# Altium PCB mPCIe_Breakout01_BRD1.PcbDoc (part 1 of 2) (continued)
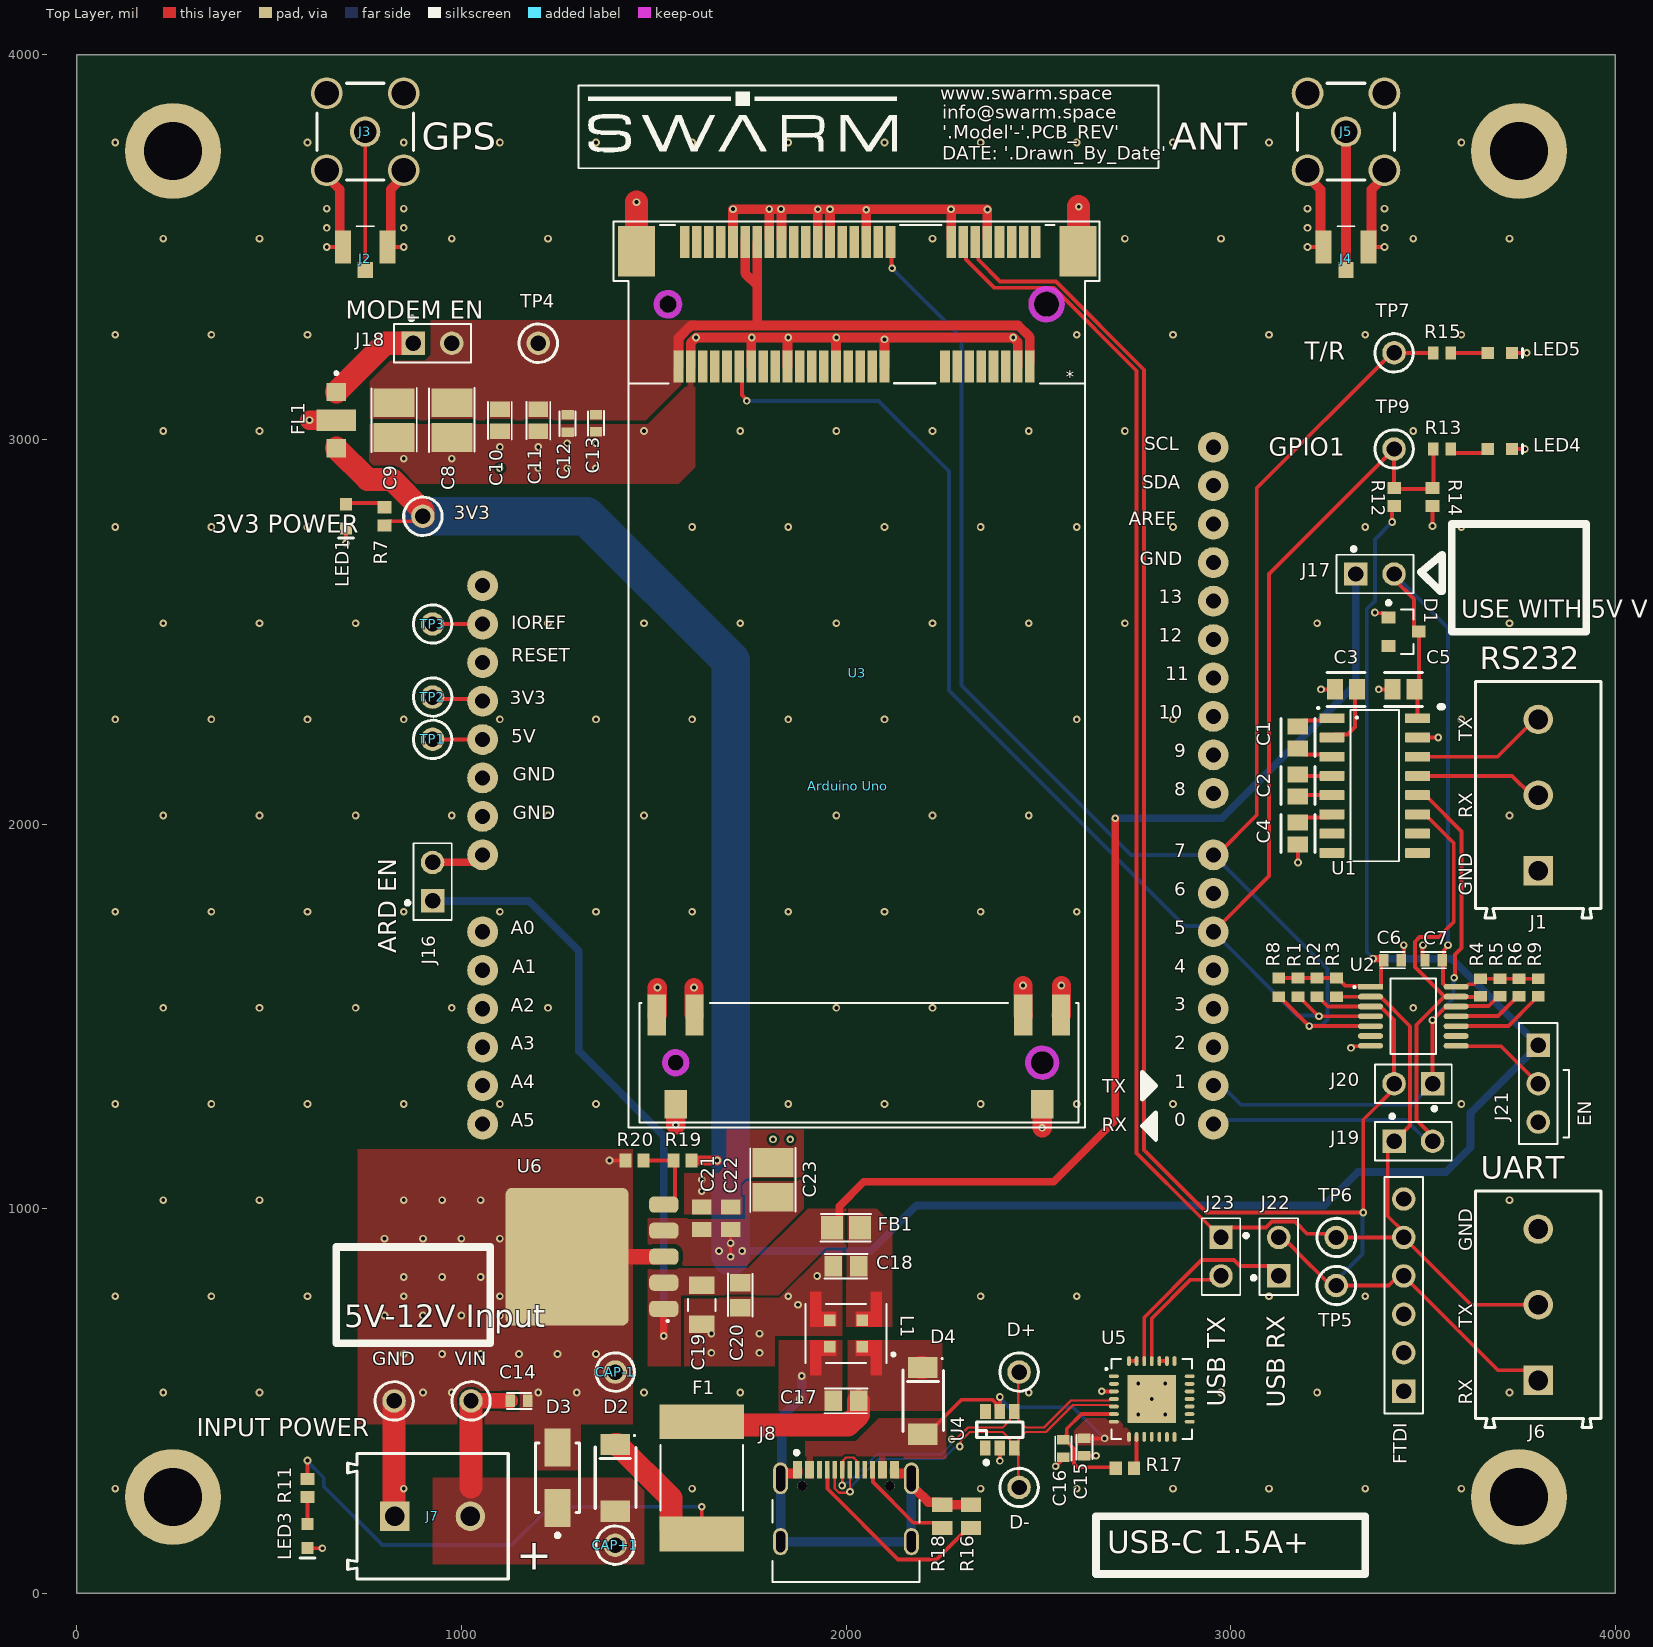
[diagram p0: Top Layer view]
## Part data
3V3 CAP+1 CAP-1 D+ D- GND TP1 TP2 TP3 TP4 TP5 TP6 TP7 TP9 VIN: library part CMP-2000-05181-1, "Test Point, Black, 1-Pin THD, RoHS, Bulk", MANUF1="Keystone Electronics", TEMP=NA, MANUF1 P/N=5001, Manufacturer="Keystone Electronics", Manufacturer Part Number=5001, Size=TH, SPECIAL_INSTRUCTIONS=5001, Supplier=Digikey, Supplier P/N=36-5001-ND, Tolerance=NA, Type="TEST POINT", Voltage=NA
"Arduino Uno": "UNO", MANUF1=TBD, MANUF1 P/N=TBD, Manufacturer=TBD, Manufacturer Part Number=TBD, Size=TH, SPECIAL_INSTRUCTIONS=TBD, Supplier=Digi-Key, Supplier P/N=TBD, TEMP=TBD, Tolerance=TBD, Type=TBD, Voltage=TBD
C1 C2 C3 C4 C5: library part CMP-13271-001433-1, "CL21 Series 0805 1uF 50V ±10% Tolerance X7R Multilayer Ceramic Chip Capacitor", MANUF1=Samsung, TEMP="-55°C ~ 125°C", Tolerance=10%, Voltage=50V, MANUF1 P/N=CL21B105KBFNNNG, Manufacturer=Samsung, Manufacturer Part Number=CL21B105KBFNNNG, Size=0805, SPECIAL_INSTRUCTIONS=CL21B105KBFNNNG, Supplier=Digi-Key, Supplier P/N=1276-6470-2-ND, Type=CAP
C6 C7 C12 C13 C14 C15 C16: library part CMP-13271-000011-1, "Cap Ceramic 100nF 50V X7R 10% Pad SMD 0603 +125°C Automotive T/R", MANUF1=TDK, TEMP="-55°C ~ 125°C", Tolerance=10%, Voltage=50V, MANUF1 P/N=CGA3E2X7R1H104K080AA, Manufacturer=TDK, Manufacturer Part Number=CGA3E2X7R1H104K080AA, Size=0603, SPECIAL_INSTRUCTIONS=CGA3E2X7R1H104K080AA, Supplier=Digi-Key, Supplier P/N=1276-1033-2-ND, Type=CAP
C8 C9 C23: library part CMP-06035-048205-1, "Chip Multilayer Ceramic Capacitors for General Purpose, 1210, 100uF, X5R, 15%, 20%, 10V", MANUF1=Murata, TEMP="-55°C ~ 85°C", Tolerance=20%, Voltage=10V, MANUF1 P/N=GRM32ER61A107ME20L, Manufacturer=Murata, Manufacturer Part Number=GRM32ER61A107ME20L, Size=1210, SPECIAL_INSTRUCTIONS=GRM32ER61A107ME20L, Supplier=Digi-Key, Supplier P/N=490-9969-2-ND, Type=CAP
C10 C11: library part CMP-2007-03541-2, "Chip Multilayer Ceramic Capacitors for General Purpose, 0805, 10uF, X5R, 15%, 10%, 25V", MANUF1=Murata, TEMP="-55°C ~ 85°C", Tolerance=10%, Voltage=25V, MANUF1 P/N=GRM21BR61E106KA73L, Manufacturer=Murata, Manufacturer Part Number=GRM21BR61E106KA73L, Size=0805, SPECIAL_INSTRUCTIONS=GRM21BR61E106KA73L, Supplier=Digi-Key, Supplier P/N=490-5523-2-ND, Type=CAP
C17 C18 C20: library part CMP-2007-00135-2, "Chip Multilayer Ceramic Capacitors for General Purpose, 0805, 10000pF, C0G, 30ppm/°C, 5%, 50V", MANUF1=Murata, TEMP="-55°C ~ 125°C", Tolerance=5%, Voltage=50V, MANUF1 P/N=GRM2195C1H103JA01D, Manufacturer=Murata, Manufacturer Part Number=GRM2195C1H103JA01D, Size=0805, SPECIAL_INSTRUCTIONS=GRM2195C1H103JA01D, Supplier=Digi-Key, Supplier P/N=490-1642-2-ND, Type=CAP
C19: library part CMP-1037-04923-3, "Chip Multilayer Ceramic Capacitors for General Purpose, 1206, 4.7uF, X7R, 15%, 10%, 50V", MANUF1=TDK, MANUF1 P/N=C3216X5R1H475K, TEMP=445-5994-2-ND, Tolerance=10%, Voltage=50V, Manufacturer=TDK, Manufacturer Part Number=C3216X5R1H475K, Size=1206, SPECIAL_INSTRUCTIONS=C3216X5R1H475K, Supplier=Digi-Key, Supplier P/N=C3216X5R1H475K, Type=CAP
C21 C22: library part CMP-2007-03555-1, "4.7 µF ±10% 10V Ceramic Capacitor X7R 0805 (2012 Metric)", MANUF1=Murata, TEMP="-55°C ~ 125°C", Tolerance=10%, Voltage=10V, MANUF1 P/N=GRM21BR71A475KA73L, Manufacturer=Murata, Manufacturer Part Number=GRM21BR71A475KA73L, Size=0805, SPECIAL_INSTRUCTIONS=GRM21BR71A475KA73L, Supplier=Digi-Key, Supplier P/N=490-6480-2-ND, Type=CAP
D1: library part CMP-1060-00898-1, "Zener Voltage Regulator, 225 mW, 3-Pin SOT-23, Pb-Free, Tape and Reel", MANUF1="ON Semiconductor", TEMP="-65°C ~ 150°C", Tolerance=NA, Voltage=5.1V, MANUF1 P/N=BZX84B5V1LT1G, Manufacturer="ON Semiconductor", Manufacturer Part Number=BZX84B5V1LT1G, Size=SOT-23, SPECIAL_INSTRUCTIONS=BZX84B5V1LT1G, Supplier=Digi-Key, Supplier P/N=BZX84B5V1LT1GOSTR-ND, Type=ZENER
D2 D4: "DIODE SCHOTTKY 30V 5A SOD128", MANUF1="NXP Semiconductors", TEMP="-55°C ~ 175°C", Tolerance=NA, Voltage=30V, 1K COST=.28, MANUF1 P/N=PMEG3050EP,115, Manufacturer="NXP Semiconductors", Manufacturer Part Number=PMEG3050EP,115, Size=SOD-128, SPECIAL_INSTRUCTIONS=PMEG3050EP,115, Supplier=Digikey, Supplier P/N=1727-5317-1-ND, Type=DIODE
D3: library part CMP-12828-000004-1, "TVS DIODE 15V 24.4V SMA", MANUF1=Diodes, TEMP="-50°C ~ 150°C", Tolerance=NA, Voltage=24.4V, MANUF1 P/N=SMAJ15A-13-F, Manufacturer=Diodes, Manufacturer Part Number=SMAJ15A-13-F, Size=SMA, SPECIAL_INSTRUCTIONS=SMAJ15A-13-F, Supplier=Digikey, Supplier P/N=SMAJ15A-FDITR-ND, Type=DIODE
F1: library part CMP-16043-000006-1, "PTC RESET FUSE 24V 2A 2920", MANUF1=Bel, TEMP="-40°C ~ 85°C", Tolerance=NA, Voltage=24V, MANUF1 P/N=0ZCF0200AF2C, Manufacturer=Bel, Manufacturer Part Number=0ZCF0200AF2C, Size=2920, SPECIAL_INSTRUCTIONS=0ZCF0200AF2C, Supplier=Digikey, Supplier P/N=507-1749-2-ND, Type=FUSE
FB1: library part CMP-06046-001905-1, "Chip Ferrite Bead, 0805, 600Ω @ 100MHz, 0.06Ω, 25%, 2.3A", MANUF1=Murata, TEMP="-55°C ~ 125°C", Tolerance=NA, MANUF1 P/N=BLM21SP601SH1D, Manufacturer=Murata, Manufacturer Part Number=BLM21SP601SH1D, Size=0805, SPECIAL_INSTRUCTIONS=BLM21SP601SH1D, Supplier=Digi-Key, Supplier P/N=490-18588-2-ND, Type=FERRITE, Voltage=NA
FL1: library part "CAP FEEDTHRU 1UF 20% 100V 1206", "Feed Through Capacitor 100V 5mOhm 1206 (3216 Metric), 4 PC Pad", MANUF1="TDK Corporation", TEMP="-55°C ~ 125°C", Tolerance=10%, Voltage=100V, 1K COST=0.19, MANUF1 P/N=YFF31HC2A105MT000N, Manufacturer="TDK Corporation", Manufacturer Part Number=YFF31HC2A105MT000N, Size=1206, SPECIAL_INSTRUCTIONS=YFF31HC2A105MT000N, Supplier=Digikey, Supplier P/N=445-16151-2-ND, Type=N/A
FTDI: library part CMP-1024-00385-1, "0.025\" SQ Post Header, Through-hole, Vertical, -55 to 125 degC, 2.54 mm Pitch, 6-Pin, Male, RoHS", MANUF1=Samtec, TEMP="-55°C ~ 125°C", Tolerance=NA, MANUF1 P/N=TSW-106-07-F-S, Manufacturer=Samtec, Manufacturer Part Number=TSW-106-07-F-S, Size=TH, SPECIAL_INSTRUCTIONS=TSW-106-07-F-S, Supplier=Digi-Key, Supplier P/N=SAM10852-ND, Type=CONN, Voltage=NA
J1 J6: "HEADER, 3 Position Wire to Board Terminal Block Horizontal with Board 0.197\" (5.00mm) Through Hole", MANUF1="Wurth Electronics Inc.", TEMP="-40°C ~ 105°C", Tolerance=NA, Voltage=300V, 1K COST=.93, MANUF1 P/N=691213710003, Manufacturer="Wurth Electronics Inc.", Manufacturer Part Number=691213710003, Size=5mm, SPECIAL_INSTRUCTIONS=691213710003, Supplier=Digikey, Supplier P/N=732-2039-ND, Type="Wire to Board"
J2 J4: library part CMP-0029-00003-2, "CONN U.FL RCPT STR 50 OHM SMD", MANUF1=Hirose, TEMP="-40°C ~ 90°C", Tolerance=NA, MANUF1 P/N=U.FL-R-SMT(10), Manufacturer=Hirose, Manufacturer Part Number=U.FL-R-SMT(10), Size=SMT, SPECIAL_INSTRUCTIONS=U.FL-R-SMT(10), Supplier=Digikey, Supplier P/N=H9161TR-ND, Type=CONN, Voltage=NA
J3 J5: "Rf Coax Conn, Sma Jack, 50 Ohm, Pcb Rohs Compliant: Yes", Manufacturer="TE Connectivity", Manufacturer Part Number=5-1814832-2, Supplier Part Number 1=17-5-1814832-2CT-ND, TEMP="-65°C ~ 165°C", Voltage="335 V", Category="RF / Coaxial Connectors", Pricing 1="1=3.00000, 10=2.88300, 25=2.64280, 50=2.52240, 100=2.40240, 250=2.10208, 500=2.04202 (USD)", RoHS=Yes, Stock 1=4896, Supplier=Digikey, Supplier 1=Digi-Key, Supplier P/N=17-5-1814832-2CT-ND, Type="Jack, Female Socket"
J7: "HEADER, 2 Position Wire to Board Terminal Block Horizontal with Board 0.197\" (5.00mm) Through Hole", MANUF1="Wurth Electronics Inc.", TEMP="-40°C ~ 105°C", Tolerance=n/a, Voltage=300V, 1K COST=.68, MANUF1 P/N=691213710002, Manufacturer="Wurth Electronics Inc.", Manufacturer Part Number=691213710002, Size=5mm, SPECIAL_INSTRUCTIONS=691213710002, Supplier=Digikey, Supplier P/N=732-2038-ND, Type="Wire to Board"
J8: library part CMP-245163-000001-1, "CONN RCPT USB2.0 TYPEC 5A", MANUF1="Global Connector Technology", TEMP="-40°C ~ 85°C", Tolerance=NA, MANUF1 P/N=USB4105-GF-A, Manufacturer="Global Connector Technology", Manufacturer Part Number=USB4105-GF-A, Size=SMT/TH, SPECIAL_INSTRUCTIONS=USB4105-GF-A, Supplier=Digikey, Supplier P/N=2073-USB4105-GF-ATR-ND, Type=CONN, Voltage=NA
J16 J17 J18 J19 J20 J22 J23: library part CMP-1681-00004-4, "Male Header, Pitch 2.54 mm, 1 x 2 Position, Height 8.38 mm, Tail Length 2.54 mm, -55 to 125 degC, RoHS, Bulk", MANUF1=Samtec, TEMP="-55°C ~ 125°C", Tolerance=NA, MANUF1 P/N=TSW-102-07-S-S, Manufacturer=Samtec, Manufacturer Part Number=TSW-102-07-S-S, Size=TH, SPECIAL_INSTRUCTIONS=TSW-102-07-S-S, Supplier=Digi-Key, Supplier P/N=SAM1033-02-ND, Type=CONN, Voltage=NA
J21: library part CMP-1024-00334-1, "0.025\" SQ Post Header, Through-hole, Vertical, -55 to 125 degC, 2.54 mm Pitch, 3-Pin, Male, RoHS", MANUF1=Samtec, TEMP="-55°C ~ 125°C", Tolerance=NA, MANUF1 P/N=TSW-103-07-L-S, Manufacturer=Samtec, Manufacturer Part Number=TSW-103-07-L-S, Size=TH, SPECIAL_INSTRUCTIONS=TSW-103-07-L-S, Supplier=Digi-Key, Supplier P/N=SAM1031-03-ND, Type=CONN, Voltage=NA
L1: library part CM_Choke_DLW5ATN112MQ2L, "CMC 2A 2LN 1.1 KOHM SMD", MANUF1="Murata Electronics", TEMP="-40°C ~ 105°C", Tolerance=NA, Voltage=N/A, 1K COST=0.68, MANUF1 P/N=DLW5ATN112MQ2L, Manufacturer="Murata Electronics", Manufacturer Part Number=DLW5ATN112MQ2L, Size=SMT, SPECIAL_INSTRUCTIONS=DLW5ATN112MQ2L, Supplier=Digikey, Supplier P/N=490-12641-2-ND, Type=CMCCC
LED1 LED3: library part CMP-1426-00006-4, "WL-SMCW SMD Chip LED Top View Monocolor Waterclear, 30 mA, 2 V, -40 to 85 degC, 2-Pin SMD, RoHS, Tape and Reel GRN", MANUF1="Wurth Electronics", TEMP="40 up to +85 °C", Tolerance=NA, Voltage=25V, MANUF1 P/N=150060VS75000, Manufacturer="Wurth Electronics", Manufacturer Part Number=150060VS75000, Size=0603, SPECIAL_INSTRUCTIONS=150060VS75000, Supplier=Digi-Key, Supplier P/N=732-4980-2-ND, Type=LED
LED4 LED5: library part CMP-1426-00001-1, "SMD mono-color Chip LED, WL-SMCW, Red", MANUF1="Wurth Electronics", TEMP="40 up to +85 °C", Tolerance=NA, Voltage=25V, MANUF1 P/N=150060RS75000, Manufacturer="Wurth Electronics", Manufacturer Part Number=150060RS75000, Size=0603, SPECIAL_INSTRUCTIONS=150060RS75000, Supplier=Digikey, Supplier P/N=732-4978-2-ND, Type=LED
PAD1 PAD2 PAD3 PAD4: "BUMPER CYLI .375\" DIA X .19\" BLK"
R1 R2 R3 R8: library part CMP-1012-00076-2, "RES SMD 1.2K OHM 5% 1/10W 0603", MANUF1=Bourns, MANUF1 P/N=CR0603-JW-122ELF, TEMP="-55°C ~ 155°C", Tolerance=±5%, Voltage=NA, Manufacturer=Bourns, Manufacturer Part Number=CR0603-JW-122ELF, Size=0603, SPECIAL_INSTRUCTIONS=CR0603-JW-122ELF, Supplier=Digikey, Supplier P/N=118-CR0603-JW-122ELFTR-ND, Type=RES
R4 R5 R6 R9 R13 R15: library part CMP-2000-03169-1, "RES SMD 2.2K OHM 5% 1/10W 0603", MANUF1=Vishay, TEMP="-55°C ~ 155°C", Tolerance=±5%, Voltage=NA, MANUF1 P/N=CRCW06032K20JNEA, Manufacturer=Vishay, Manufacturer Part Number=CRCW06032K20JNEA, Size=0603, SPECIAL_INSTRUCTIONS=CRCW06032K20JNEA, Supplier=Digi-Key, Supplier P/N=541-2.2KGTR-ND, Type=RES
R7 R11 R12 R14 R17: library part CMP-2000-00873-1, "RES SMD 1K OHM 0.1% 1/10W 0603", MANUF1=Panasonic, MANUF1 P/N=ERA-3AEB102V, TEMP="-55°C ~ 155°C", Tolerance=±0.1%, Voltage=NA, Manufacturer=Panasonic, Manufacturer Part Number=ERA-3AEB102V, Size=0603, SPECIAL_INSTRUCTIONS=ERA-3AEB102V, Supplier=Digi-Key, Supplier P/N=P1.0KDBTR-ND, Type=RES
R16 R18: library part CMP-2001-00553-1, "RES SMD 5.1K OHM 1% 1/8W 0805", MANUF1=Panasonic, MANUF1 P/N=ERJ-6ENF5101V, TEMP="-55°C ~ 155°C", Tolerance=±1%, Voltage=NA, Manufacturer=Panasonic, Manufacturer Part Number=ERJ-6ENF5101V, Size=0603, SPECIAL_INSTRUCTIONS=ERJ-6ENF5101V, Supplier=Digi-Key, Supplier P/N=P5.10KCTR-ND, Type=RES
R19: library part CMP-2000-02146-1, "RES SMD 25.5KOHM 0.1% 1/10W 0603", MANUF1=Susumu, TEMP="-55°C ~ 125°C", Tolerance=0.1%, Voltage=NA, MANUF1 P/N=RG1608P-2552-B-T5, Manufacturer=Susumu, Manufacturer Part Number=RG1608P-2552-B-T5, Size=0603, SPECIAL_INSTRUCTIONS=RG1608P-2552-B-T5, Supplier=Digi-Key, Supplier P/N=RG16P25.5KBTR-ND, Type=RES
R20: library part CMP-2000-00873-1_1, "RES SMD 7.5K OHM 0.1% 1/10W 0603", MANUF1=Panasonic, MANUF1 P/N=ERA-3AEB752V, TEMP="-55°C ~ 155°C", Tolerance=±0.1%, Voltage=NA, Manufacturer=Panasonic, Manufacturer Part Number=ERA-3AEB752V, Size=0603, SPECIAL_INSTRUCTIONS=ERA-3AEB752V, Supplier=Digi-Key, Supplier P/N=P7.5KDBTR-ND, Type=RES
U1: library part CMP-0299-00110-2, "Dual EIA-232 Driver / Receiver, -40 to 85 degC, 16-Pin SOIC (D), Green (RoHS & no Sb/Br)", MANUF1="Texas Instruments", TEMP="-40°C ~ 85°C", Tolerance=NA, Voltage="4.5V ~ 5.5V", MANUF1 P/N=MAX232IDR, Manufacturer="Texas Instruments", Manufacturer Part Number=MAX232IDR, Size=16SOIC, SPECIAL_INSTRUCTIONS=MAX232IDR, Supplier=Digi-Key, Supplier P/N=296-26141-2-ND, Type=IC
U2: library part CMP-04899-000085-1, "IC TRNSLTR BIDIRECTIONAL 14TSSOP", MANUF1="Texas Instruments", TEMP="-40°C ~ 125°C", Tolerance=NA, Voltage="0.8/1.8 V ~ 4.5/5.5 V", MANUF1 P/N=LSF0204DPWR, Manufacturer="Texas Instruments", Manufacturer Part Number=LSF0204DPWR, SPECIAL_INSTRUCTIONS=LSF0204DPWR, Supplier=Digi-Key, Supplier P/N=296-40400-2-ND, Type=IC
U3: library part "SWARM_M138_mPCIe_2.005\"_VHF", "SWARM M138 MODEM mPCIe 2.005\" (50.925mm) x 1.18\" (30mm)  Two part connector", MANUF1=JAE, TEMP="-40°C ~ 85°C", Tolerance=NA, MANUF1 P/N="A: MM60-52B1-B1-R850 B: MM60-EZH039-B5-R850", Manufacturer=JAE, Manufacturer Part Number="A: MM60-52B1-B1-R850 B: MM60-EZH039-B5-R850", Size=mPCIe, SPECIAL_INSTRUCTIONS="A: MM60-52B1-B1-R850 B: MM60-EZH039-B5-R850", Supplier=Digikey, Supplier P/N="A: 670-2274-2-ND B: 670-2276-2-ND", Type=CONN, Voltage=NA
U4: library part USBLC6-4, "USB ESD PROTECTION", MANUF1=STMicroelectronics, TEMP="-40°C ~ 125°C", Tolerance=N/A, 1K COST=0.17903, MANUF1 P/N=USBLC6-4SC6, Manufacturer=STMicroelectronics, Manufacturer Part Number=USBLC6-4SC6, Size=SOT-23-6, SPECIAL_INSTRUCTIONS=USBLC6-4SC6, Supplier=Digi-Key, Supplier P/N=497-4492-2-ND, Type=N/A, Voltage=N/A
U5: "USB Bridge, USB to UART USB 2.0 UART Interface 28-QFN (5x5)", MANUF1="Silicon Labs", TEMP="-40°C ~ 85°C", Tolerance=N/A, 1K COST=1.22, MANUF1 P/N=CP2102N-A02-GQFN28, Manufacturer="Silicon Labs", Manufacturer Part Number=CP2102N-A02-GQFN28, Size=QFN-28, SPECIAL_INSTRUCTIONS=CP2102N-A02-GQFN28, Supplier=Digi-Key, Supplier P/N=336-5890-2-ND, Type=IC, Voltage=N/A
U6: "2A Standard / Variable Output LDO Regulator", MANUF1=Rohm, TEMP="-40°C ~ 105°C", Tolerance=NA, Voltage=25V, MANUF1 P/N=BD00D0AWHFP-TR, Manufacturer=Rohm, Manufacturer Part Number=BD00D0AWHFP-TR, Size=HRP-5, SPECIAL_INSTRUCTIONS=BD00D0AWHFP-TR, Supplier=Digi-Key, Supplier P/N=BD00D0AWHFPTR-ND, Type=IC

## Free pads (board coordinates)
  round 250 hole 150 unplated: MH(250,250) MH(250,3750) MH(3750,250) MH(3750,3750)

## Via types
v1: diameter 20, hole 10, Top Layer to Bottom Layer, tented both sides, 274 vias

## Nets (pads, with @x,y where several pads share a name; then routed paths per layer and width w, separated by ;. In a path a pad name is that pad's centre, name@x,y a point inside that pad or via, vN(x,y) a via of type N, cw(c..) or ccw(c..) an arc to the next point about the centre after c; other vN are vias at no path point)
3V3: 3V3.1 C6.1 C21.2 C22.2 C23.1 FL1.3 J21.1 R1.2 R2.2 R3.2 R7.2 R8.2 R12.2 R19.2 U2.1 U6.4 | length 7554.1
  Top Layer w10: R7.2@800,2776.38 810.75,2787.13 873.32,2787.13 886.19,2800 3V3.1@900,2800 ; v1(1700,875) C22.2@1700,945.47 v1(1700,910.24) ; R8.2@3125,1599.61 R1.2@3175,1599.61 R2.2@3225,1599.61 R3.2@3275,1599.61 3277.95,1599.61 3298.29,1579.27 3361.27,1579.27 U2.1@3363.76,1576.77 3388.86,1576.77 3391.35,1579.27 3391.35,1636 3395,1639.64 3395,1647.56 C6.1@3397.44,1650 ; v1(3420,2785) 3420,2813.5 R12.2@3425,2818.5
  Top Layer w20: v1(3370,1650) C6.1@3397.44,1650
  Top Layer w25: FL1.3@663.88,2988.29 FL1.3@675,2977.17 ; R19.2@1601.87,1125 v1(1665,1125)
  Top Layer w60: FL1.3@675,2977.17 756.05,2896.12 818.95,2896.12 900,2815.07 3V3.1@900,2800
  Bottom Layer w10: v1(3370,1650) 3370,1651.21 3354,1667.21 3354,2558.7 3375,2579.7 3375,2740 v1(3420,2785)
  Bottom Layer w20: v1(1730,890) 2065,890 2183.29,1008.29 3244.17,1008.29 3330.88,1095 3559.49,1095 3623.92,1159.44 3623.92,1248.92 3779.49,1404.49 3784.49,1404.49 J21.1@3800,1420 ; v1(3370,1650) 3575,1650 J21.1@3800,1425
  Bottom Layer w100: 3V3.1@900,2800 1325,2800 1700,2425 v1(1700,910.24) v1(1700,875)
  other v1: 1670,890
3V3_MODEM: C8.1 C9.1 C10.1 C11.1 C12.1 C13.1 J18.2 TP4.1 U3.2 U3.39 U3.41 U3.52 | length 1431.4
  Top Layer w25: U3.52@1564.57,3190 1564.57,3263.41 1597.16,3296 1769.29,3296 ; U3.41@1737.8,3522.83 1737.8,3431.5 1769.29,3400 ; U3.39@1769.29,3512.83 1769.29,3400 ; U3.2@2477.95,3200 2477.95,3265.89 2447.84,3296 1769.29,3296 ; 1769.29,3296 1769.29,3400
5V_ENABLED: C5.1 C7.1 D1.3 J17.2 R4.2 R5.2 R6.2 R9.2 U1.16 U2.14 | length 1798
  Top Layer w10: J17.2@3425,2650 3425,2636.19 3476.65,2584.54 3476.65,2510.75 3487.4,2500 D1.3@3489.37,2500 3489.37,2360.8 C5.1@3478.57,2350 3486.22,2342.35 U1.16@3486.22,2275 ; v1(3565,1685) 3565,1682.29 3554.09,1671.38 3554.09,1651.53 3552.56,1650 3552.56,1585.12 3560.91,1576.77 3612.68,1576.77 3619.45,1583.54 3632.95,1583.54 3647.05,1597.64 R9.2@3800,1597.64
  Bottom Layer w10: J17.2@3425,2650 3565,2510 v1(3565,1685)
+5V: "Arduino Uno.5V" TP1.1 | length 130.2
  Top Layer w10: TP1.1@925,2220 925.16,2219.84 1054.96,2219.84 1055.12,2219.69
ANT: J4.1 J5.1 | length 360
  Top Layer w25: J4.1@3300,3439.96 J5.1@3300,3800
D_N: D-.1 J8.A7 J8.B7 U4.3 U5.5 | length 1101.6
  Top Layer w6: J8.B7@1970.47,321.34 1971,320.81 1971,272.13 1982.13,261 2003.98,261 2006.85,263.86 v1(2010.63,263.86) 2010.24,264.26 2010.24,320.94 J8.A7@2009.84,321.34 ; v1(2295.57,381.62) 2298.25,384.29 2298.25,395.29 2321.96,419 2407.29,419 2426.62,399.67 2426.62,388.54 U4.3@2437.4,377.76 ; D-.1@2450,275 2448.18,276.82 2448.18,366.98 U4.3@2437.4,377.76 ; U5.5@2696.57,485.32 2687.66,485.32 2683.82,489.16 2590.25,489.16 2520.09,419 2467.51,419 2448.18,399.67 2448.18,388.54 U4.3@2437.4,377.76
  Bottom Layer w6: v1(2010.63,263.86) 2013.31,266.54 2013.31,277.51 2084.84,349.04 2252,349.04 2281.9,378.94 2292.89,378.94 v1(2295.57,381.62)
D_P: D+.1 J8.A6 J8.B6 U4.4 U5.4 | length 1093.7
  Top Layer w6: v1@1990.16,280 1990.08,280.08 1990.08,321.26 J8.A6@1990.16,321.34 1993.06,324.24 1993.06,345.83 2000.21,352.98 2019.48,352.98 2026.62,345.83 2026.62,324.24 J8.B6@2029.53,321.34 ; v1(2275,400) 2277.68,402.68 2288.67,402.68 2316.99,431 2407.29,431 2426.62,450.33 2426.62,461.46 U4.4@2437.4,472.24 ; D+.1@2450,575 2448.18,573.18 2448.18,483.02 U4.4@2437.4,472.24 ; U5.4@2696.57,505 2687.66,505 2683.82,501.16 2585.28,501.16 2515.12,431 2467.51,431 2448.18,450.33 2448.18,461.46 U4.4@2437.4,472.24
  Bottom Layer w6: v1(1990,280) 1993.79,280 2000.79,287 2005.83,287 2079.87,361.04 2247.03,361.04 2272.32,386.33 2272.32,397.32 v1(2275,400)
FB: R19.1 R20.2 U6.5 | length 207.1
  Top Layer w10: R20.2@1480.51,1125 R19.1@1551.38,1125 1555.24,1121.14 1555.24,1025.84 1539.83,1010.43 U6.5@1526.18,1010.43
GND: "Arduino Uno.GND1" "Arduino Uno.GND2" "Arduino Uno.GND3" C3.2 C4.2 C5.2 C6.2 C7.2 C8.2 C9.2 C10.2 C11.2 C12.2 C13.2 C14.2 C15.2 C16.2 C18.2 C19.2 C20.2 C21.1 C22.1 C23.2 CAP-1.1 D1.1 D3.2 FL1.2_4 FTDI.1 GND.1 J1.1 J2.2 J2.3 J3.2 J3.3 J3.4 J3.5 J4.2 J4.3 J5.2 J5.3 J5.4 J5.5 J6.3 J7.1 J21.3 L1.3 LED1.1 LED3.1 LED4.1 LED5.1 R14.1 R20.1 U1.15 U2.7 U3.4 U3.9 U3.15 U3.18 U3.21 U3.26 U3.27 U3.29 U3.34 U3.35 U3.37 U3.40 U3.43 U3.50 U3.53 U3.54 U3.S1_1 U3.S1_2 U3.S1_3 U3.S2_1 U3.S2_2 U3.S2_3 U4.2 U5.3 U5.29 U6.3 U6.6 | length 5624.5
  Top Layer w10: LED3.1@600,117.13 v1(638.5,117.13) ; v1(650,3500) J2.3@691.93,3500 ; v1(700,2730) LED1.1@700,2768.5 ; J2.2@808.07,3500 v1(850,3500) ; v1(1385,1125) R20.1@1419.49,1125 ; v1(2400,344.16) U4.2@2400,377.76 ; v1(2545,330) 2546.56,330 C16.2@2565,348.44 ; C15.2@2620,350 C15.2@2620,357.36 v1(2650.22,357.36) ; v1(2665,525) 2665.24,524.76 U5.3@2688.78,524.76 ; v1(2760,545) 2760,540 v1(2795,505) 2830,540 v1(2830,545) ; v1(3175,1900) C4.2@3175,1946.43 ; v1(3200,3500) J4.3@3241.93,3500 ; v1(3235,2350) C3.2@3271.43,2350 ; v1(3313.23,1417.91) 3315.93,1417.91 3320.29,1422.27 3362.81,1422.27 U2.7@3363.76,1423.23 ; J4.2@3358.07,3500 v1(3400,3500) ; v1(3375,2550) 3376.85,2548.15 3399.88,2548.15 D1.1@3410.63,2537.4 ; v1(3385,2350) C5.2@3421.43,2350 ; v1(3450,1685) 3451.28,1683.72 C6.2@3451.28,1651.28 ; U1.15@3486.22,2225 v1(3540,2225) ; C7.2@3498.72,1651.28 3498.72,1683.72 v1(3500,1685) ; v1(3525,2775) R14.1@3525,2818.5 ; LED4.1@3731.5,2975 v1(3765,2975) ; LED5.1@3731.5,3225 v1(3770,3225)
  Top Layer w25: J3.2@650,3700 650,3683.33 683.76,3649.57 683.76,3508.17 J2.3@691.93,3500 ; J2.2@808.07,3500 816.24,3508.17 816.24,3649.57 850,3683.33 J3.3@850,3700 ; U3.50@1596.06,3190 1596.06,3251.06 v1(1610,3265) v1(1755,3265) ; U3.43@1706.3,3522.83 v1(1706.3,3598.7) v1(1800.28,3598.7) ; U3.40@1753.54,3190 1753.54,3263.54 v1(1755,3265) ; U3.37@1800.79,3522.83 1800.79,3598.19 v1(1800.28,3598.7) ; U3.35@1832.28,3522.83 1832.28,3597.28 v1(1830.87,3598.7) ; U3.34@1848.03,3190 1848.03,3248.67 ; U3.29@1926.77,3522.83 v1(1926.77,3598.23) ; U3.27@1958.27,3522.83 v1(1958.27,3598.19) ; U3.26@1974.02,3190 1974.02,3264.02 v1(1975,3265) ; v1@2051.81,3598.19 v1(1958.27,3598.19) ; U3.21@2052.76,3522.83 v1(2052.76,3597.24) 2053.74,3598.23 v1(2273.23,3598.23) ; U3.18@2100,3190 v1(2100,3260) ; U3.15@2273.23,3522.83 v1(2273.23,3598.23) ; U3.9@2367.72,3522.83 v1(2367.72,3597.72) 2367.21,3598.23 v1(2273.23,3598.23) ; U3.4@2446.46,3190 2446.46,3253.54 v1(2435,3265) 2105,3265 v1(2100,3260) ; U3.53@2602.95,3499.21 U3.53@2605,3501.26 ; J5.2@3200,3700 3200,3683.33 3233.76,3649.57 3233.76,3508.17 J4.3@3241.93,3500 ; J4.2@3358.07,3500 3366.24,3508.17 3366.24,3649.57 3400,3683.33 J5.3@3400,3700 ; v1(1755,3265) v1(1850,3265) v1(1975,3265) ; v1(1800.28,3598.7) v1(1830.87,3598.7) ; v1(1830.87,3598.7) 1926.3,3598.7 v1(1926.77,3598.23) ; v1(1926.77,3598.23) 1958.23,3598.23 v1(1958.27,3598.19) ; v1(1975,3265) 2095,3265 v1(2100,3260)
  Top Layer w40: U6.6@1275,875 U6.3@1526.18,875
  Top Layer w50: v1(605,3050) FL1.2_4@675,3050 ; U3.S2_3@1507.94,1503.42 1509.32,1504.79 1509.32,1574.32 v1(1510,1575) ; v1(1557.16,1217.84) U3.S2_1@1557.16,1271.13 ; v1(1605,1575) 1605,1504.79 U3.S2_2@1606.37,1503.42 ; v1(2460,1580) 2460,1504.12 U3.S1_3@2460.7,1503.42 ; U3.S1_1@2509.91,1271.13 2510,1271.05 v1(2510,1210) ; U3.S1_2@2559.13,1503.42 2560,1504.29 v1(2560,1580)
  Top Layer w60: GND.1@825,500 825.2,499.8 825.2,201.38 J7.1@826.58,200 ; U3.54@1455.31,3499.21 v1(1455.31,3616.84) ; U3.53@2605,3501.26 v1(2605,3605)
  other v1: 100,272 850,272 1600,272 2350,272 2600,272 2850,272 3100,272 3350,272 3600,272 2760,465 2830,465 225,522 475,522 900,522 975,522 1200,522 1300,522 1475,522 1725,522 2475,522 2975,522 3225,522 3725,522 850,622 950,622 1050,622 1150,622 1250,622 1350,622 1650,625 1775,625 1650,675 1775,675 800,722 900,722 1000,722 1100,722 1875,750 100,772 350,772 600,772 850,772 1100,772 1850,772 2350,772 2600,772 3100,772 3350,772 850,822 950,822 1050,822 1925,825 800,922 900,922 1000,922 1100,922 225,1022 475,1022 850,1022 950,1022 1050,1022 3725,1022 1625,1045 1625,1075 100,1272 350,1272 600,1272 850,1272 1100,1272 1350,1272 1850,1272 2100,1272 2350,1272 2600,1272 2850,1272 3600,1272 225,1522 475,1522 725,1522 975,1522 1225,1522 1975,1522 2225,1522 3475,1522 100,1772 350,1772 600,1772 850,1772 1100,1772 1350,1772 1600,1772 1850,1772 2100,1772 2350,1772 2600,1772 225,2022 475,2022 725,2022 975,2022 1225,2022 1475,2022 1975,2022 2225,2022 2475,2022 3725,2022 100,2272 350,2272 600,2272 850,2272 1100,2272 1350,2272 1600,2272 1850,2272 2100,2272 2600,2272 2850,2272 3600,2272 225,2522 475,2522 725,2522 1225,2522 1475,2522 1725,2522 1975,2522 2225,2522 2475,2522 2725,2522 3225,2522 3725,2522 100,2772 350,2772 600,2772 1600,2772 1850,2772 2100,2772 2350,2772 2600,2772 2850,2772 3350,2772 3600,2772 1200,2925 1275,2925 1350,2925 850,2950 975,2950 1100,2980 1200,2980 1275,2990 1350,2990 225,3022 475,3022 1475,3022 1725,3022 1975,3022 2225,3022 2475,3022 2725,3022 3475,3022 100,3272 350,3272 600,3272 2600,3272 2850,3272 3100,3272 3350,3272 3600,3272 225,3522 475,3522 975,3522 1225,3522 2225,3522 2725,3522 2975,3522 3475,3522 3725,3522 650,3550 850,3550 3200,3550 3400,3550 650,3600 850,3600 3200,3600 3400,3600 100,3772 600,3772 850,3772 1100,3772 1350,3772 1600,3772 1850,3772 2100,3772 2350,3772 2600,3772 2850,3772 3100,3772 3600,3772
GPS: J2.1 J3.1 | length 360
  Top Layer w10: J2.1@750,3439.96 J3.1@750,3800
MODEM_GPIO1: "Arduino Uno.5" R1.1 R12.1 R13.2 R14.2 TP9.1 U2.4 U3.42 | length 4561.3
  Top Layer w10: U3.42@1722.05,3190 1729.55,3182.5 1729.55,3115.21 1742,3102.76 v1(1742,3100.06) ; 2955.12,1699.27 2955.12,1719.69 3100,1864.57 3100,2650 TP9.1@3425,2975 3425,2881.5 3435.75,2870.75 3516.61,2870.75 3527.36,2881.5 R13.2@3527.36,2975 ; R1.1@3175,1550.39 3183.78,1541.61 3186.73,1541.61 3228.35,1500 v1(3230,1500) U2.4@3363.76,1500
  Bottom Layer w10: v1(1742,3100.06) 2084.94,3100.06 2268,2917 2268,2347 2879.9,1735.1 2939.71,1735.1 2955,1719.8 ; 2955,1720 2955,1719.8 ; v1(3230,1500) 3228.09,1501.91 3172.89,1501.91 2955.12,1719.69 2955,1719.8
MODEM_RX: FTDI.4 J6.1 J20.2 J22.2 R2.1 TP5.1 U2.3 U3.11 | length 5094.6
  Top Layer w10: U3.11@2336.22,3512.83 2343.72,3505.33 2343.72,3467.27 2400.57,3410.43 2545.7,3410.43 2775,3181.13 2775,1152.37 2937.37,990 v1(3345,990) 3345,1231.19 3425,1311.19 3425,1490.01 3389.42,1525.59 U2.3@3363.76,1525.59 3252.64,1525.61 3252.64,1525.7 3228.35,1550 R2.1@3225,1550 ; J22.2@3125,925 3136.19,925 3175.51,885.68 3175.51,885.01 3250.76,809.76 3265.24,809.76 TP5.1@3275,800 3411.19,800 3436.19,825 FTDI.4@3450,825 3695.08,579.92 3773.23,579.92 J6.1@3800,553.15 ; R2.1@3225,1550.39 R2.1@3227.95,1550.39
  Bottom Layer w10: TP5.1@3275,800 3275,813.81 3343.09,881.89 3343.09,988.09 v1(3345,990)
MODEM_TX: FTDI.5 J6.2 J19.1 J23.1 R3.1 TP6.1 U2.2 U3.13 | length 4704.7
  Top Layer w10: U3.13@2304.72,3512.83 2312.22,3505.33 2312.22,3467.27 2385.07,3394.43 2539.07,3394.43 2755,3178.5 2755,1145 2916,984 J23.1@2975,925 3000.51,950.51 3091.81,950.51 3107.81,966.51 3167.19,966.51 3198.94,934.76 3265.24,934.76 TP6.1@3275,925 3430.47,925 3440.24,934.76 FTDI.5@3450,925 ; R3.1@3275,1550.39 3275.39,1550.79 3363.37,1550.79 U2.2@3363.76,1551.18 3389.42,1551.18 3466.51,1474.09 3466.51,1216.51 J19.1@3425,1175 ; J19.1@3425,1170 3408.49,1153.49 3408.49,980.32 3450,938.81 FTDI.5@3450,925 ; J6.2@3800,750 3625,750 FTDI.5@3450,925
"NetArduino Uno_3.3V": "Arduino Uno.3.3V" TP2.1 | length 134.4
  Top Layer w10: TP2.1@925,2330 930.16,2324.84 1049.96,2324.84 1055.12,2319.69
"NetArduino Uno_IOREF": "Arduino Uno.IOREF" TP3.1 | length 130.2
  Top Layer w10: TP3.1@925,2520 925.16,2519.84 1054.96,2519.84 1055.12,2519.69
"NetArduino Uno_Vin": "Arduino Uno.Vin" J16.2 | length 138.3
  Top Layer w20: J16.2@925,1900 925.2,1900.2 1027.36,1900.2 1046.85,1919.69 1055.12,1919.69
NetC1_1: C1.1 U1.1 | length 97.7
  Top Layer w10: C1.1@3175,2253.57 3190.76,2269.33 3258.11,2269.33 U1.1@3263.78,2275
NetC1_2: C1.2 U1.3 | length 97.7
  Top Layer w10: C1.2@3175,2196.43 3190.76,2180.67 3258.11,2180.67 U1.3@3263.78,2175
NetC2_1: C2.1 U1.4 | length 90.3
  Top Layer w10: C2.1@3175,2128.57 3178.57,2125 U1.4@3263.78,2125
NetC2_2: C2.2 U1.5 | length 90.3
  Top Layer w10: C2.2@3175,2071.43 3178.57,2075 U1.5@3263.78,2075
NetC3_1: C3.1 U1.2 | length 170.8
  Top Layer w10: U1.2@3263.78,2225 3271.57,2232.8 3303.91,2232.8 3323.26,2252.15 3323.26,2344.69 C3.1@3328.57,2350
NetC4_1: C4.1 U1.6 | length 97.7
  Top Layer w10: C4.1@3175,2003.57 3188.63,2017.2 3255.98,2017.2 U1.6@3263.78,2025
NetC14_1: C14.1 CAP+1.1 D2.A D3.1 J7.2 VIN.1 | length 329
  Top Layer w40: VIN.1@1025,500 C14.1@1127.36,500
  Top Layer w50: D3.1@1248.13,223.13 D3.1@1250,221.26
  Top Layer w60: 1025,276 VIN.1@1025,500
NetC16_1: C16.1 R17.1 U5.6 | length 351
  Top Layer w10: R17.1@2693.5,325 2693.5,326.13 2691.97,327.66 2638.34,327.66 2601.66,327.66 2593.01,336.32 2593.01,340.25 2592.76,340.5 2592.76,374.22 2593.01,374.47 2593.01,375.55 2565,403.56 2573.78,412.34 2573.78,427.48 2611.93,465.63 U5.6@2696.57,465.63
NetD2_K: D2.K F1.1 R11.2 | length 1657.6
  Top Layer w10: R11.2@600,297.24 v1(600,345) ; F1.1@1625,154.33 v1(1625,225)
  Top Layer w60: D2.K@1400,386.61 1405.94,386.61 1544.76,247.8 1544.76,169.61 1560.04,154.33 F1.1@1625,154.33
  Bottom Layer w10: v1(600,345) 600,342.29 642.1,300.19 642.1,277.9 795,125 1130,125 1230,225 v1(1625,225)
NetFL1_1: FL1.1 J18.1 | length 252.7
  Top Layer w60: FL1.1@675,3122.83 802.17,3250 J18.1@875,3250
NetJ8_A5: J8.A5 R16.1 | length 533.4
  Top Layer w10: J8.A5@1950.79,321.34 1951.69,320.43 1951.69,271.64 2135.63,87.7 2235.34,87.7 2317.13,169.49 R16.1@2325,169.49
NetJ8_B5: J8.B5 R18.1 | length 262.2
  Top Layer w10: J8.B5@2068.9,321.34 2069.8,320.43 2069.8,289.34 2175.95,183.19 2236.3,183.19 R18.1@2250,169.49
NetJ21_2: J21.2 U2.8 | length 254.5
  Top Layer w10: U2.8@3586.24,1423.23 3587.19,1422.27 3702.73,1422.27 J21.2@3800,1325
NetJ22_1: J22.1 U5.26 | length 542.4
  Top Layer w10: U5.26@2775.32,603.43 2775.39,603.5 2775.39,717.15 2924.75,866.51 3008.49,866.51 3024.49,850.51 3099.49,850.51 J22.1@3125,825
NetJ23_2: J23.2 U5.25 | length 336.6
  Top Layer w10: U5.25@2795,603.43 2795,714.13 2896.11,815.24 2965.24,815.24 J23.2@2975,825
NetLED1_2: LED1.2 R7.1 | length 105.6
  Top Layer w10: LED1.2@700,2831.5 702.87,2834.37 787.28,2834.37 798.03,2823.62 R7.1@800,2823.62
NetLED3_2: LED3.2 R11.1 | length 69.9
  Top Layer w10: LED3.2@600,180.12 R11.1@600,250